# Altium PCB ISS_LAB_PCB.PcbDoc (part 1 of 8)
Units mm, origin at the board's own origin, x right, y up, seen from the top; angles counter-clockwise.
Board outline 247.67 x 135.97 mm, 2 copper layers (Top Layer, Bottom Layer); 165 components, 0 nets, 6045 pads, 3214 vias.
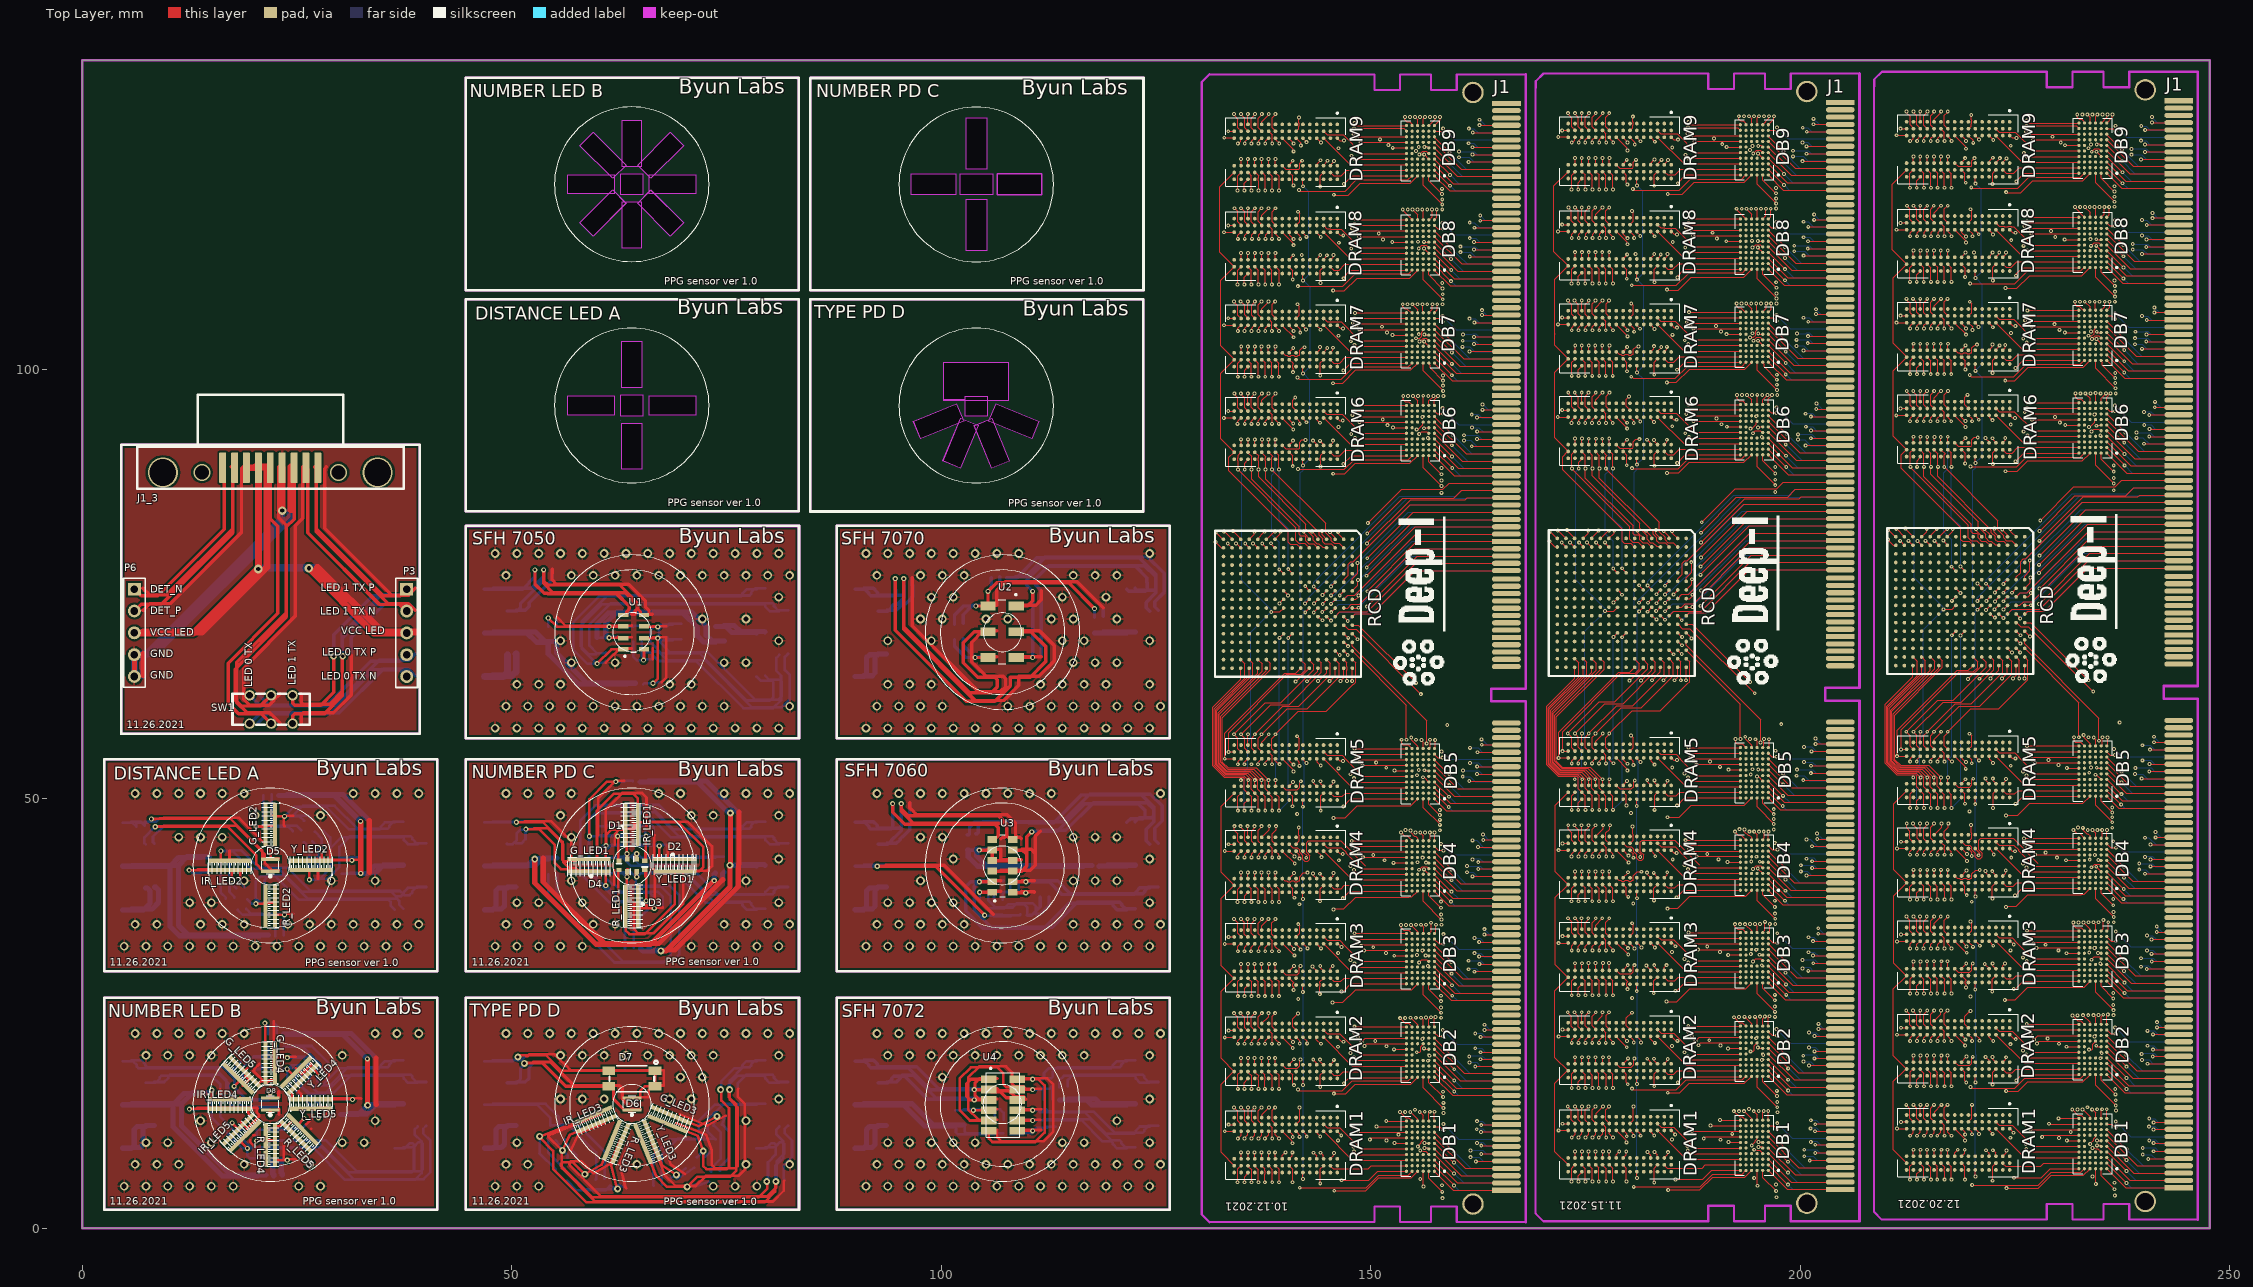
[diagram p0: Top Layer view]
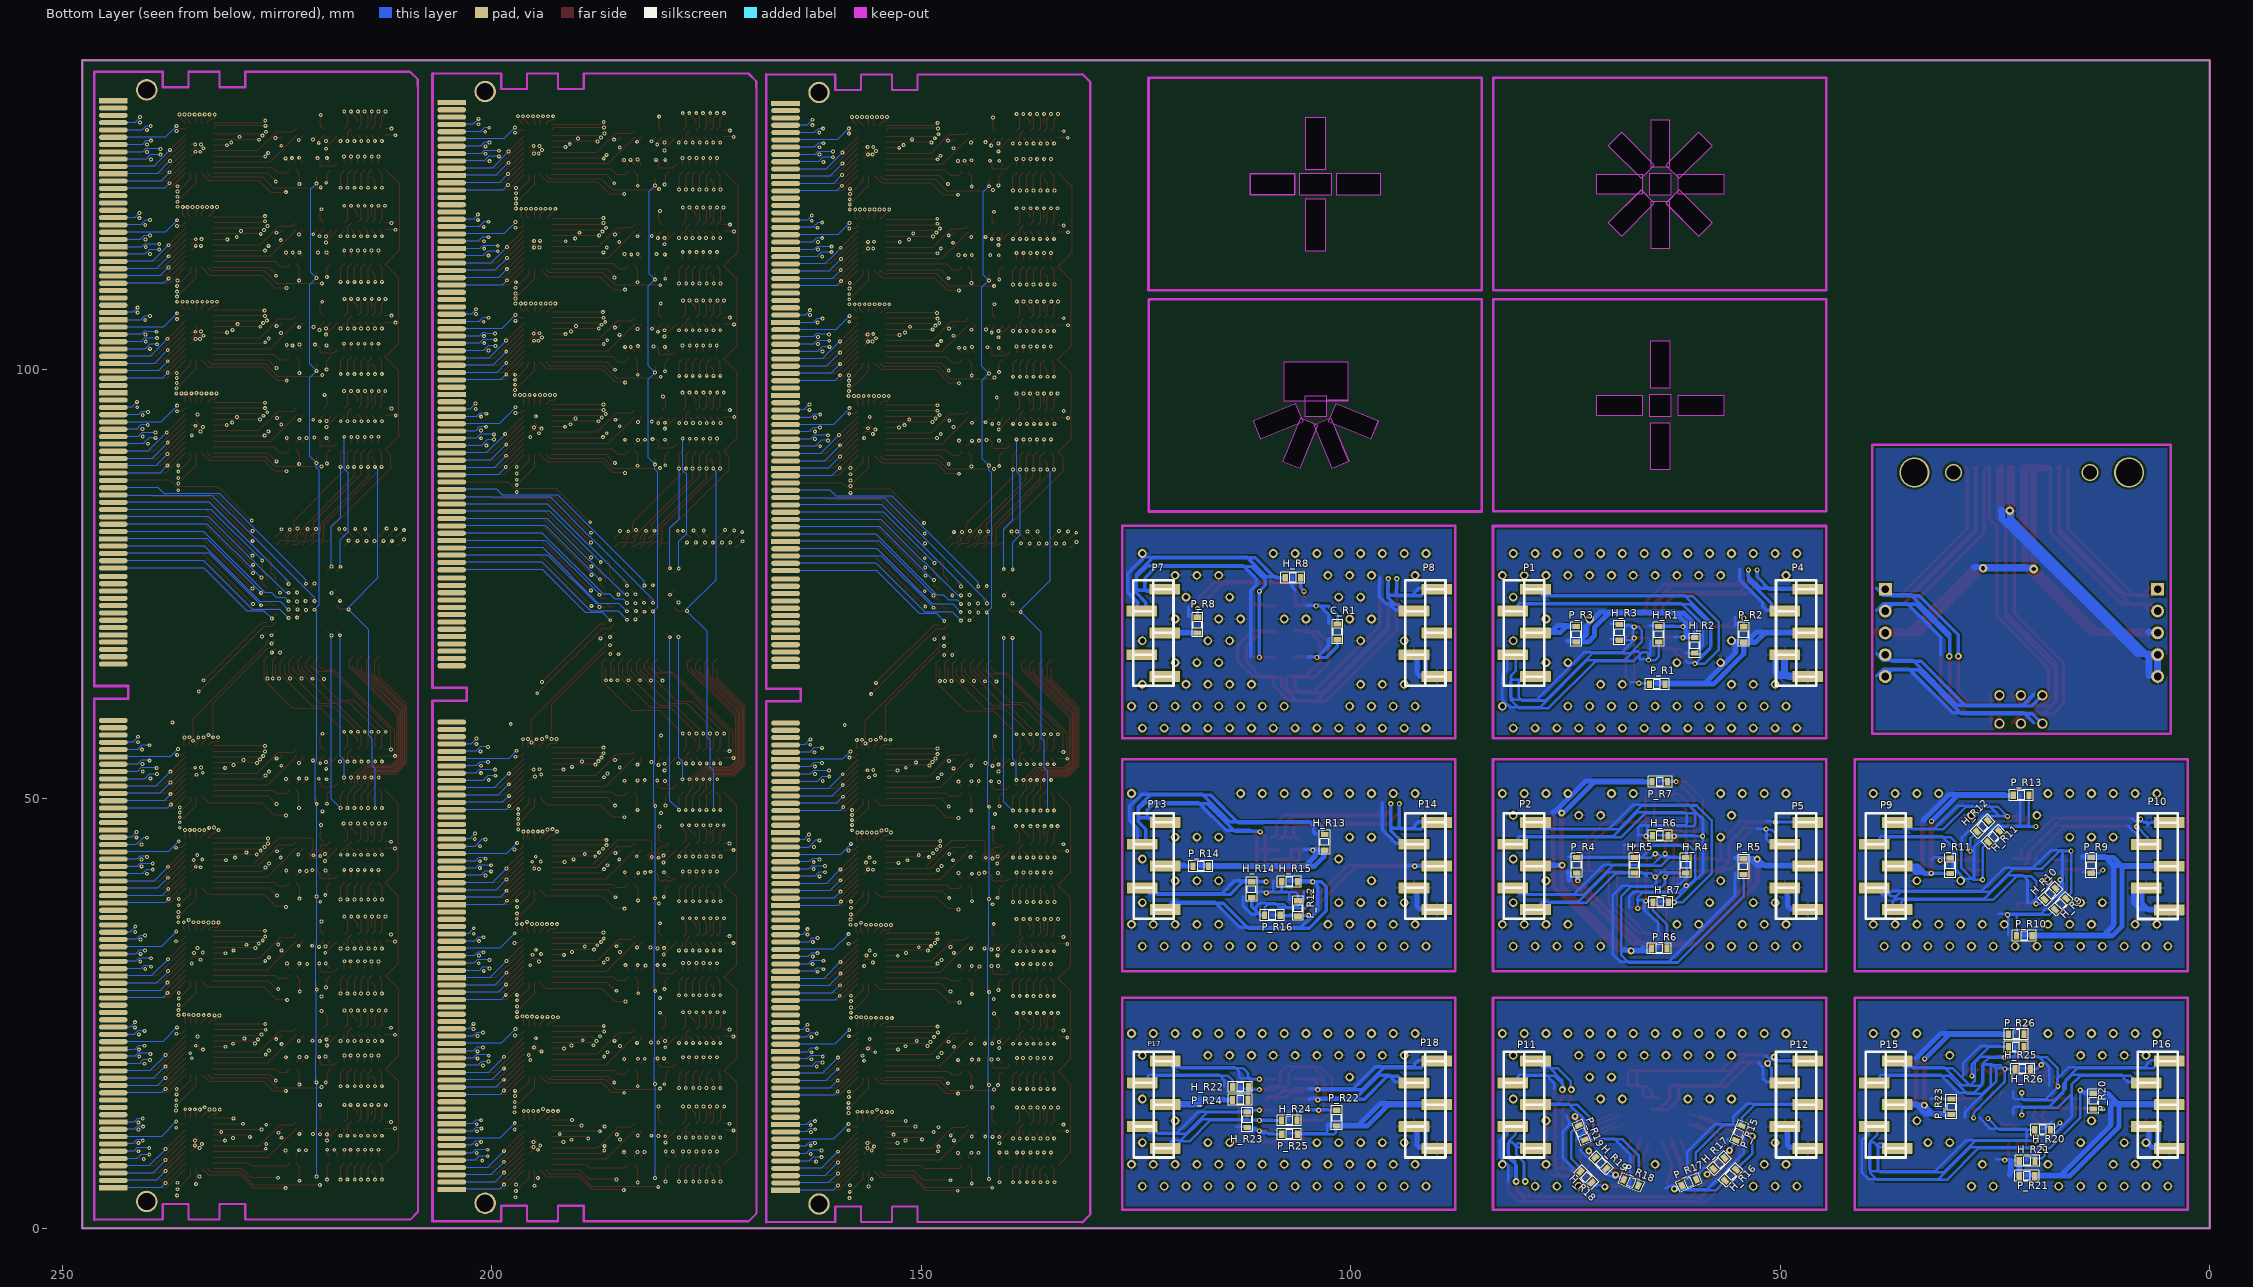
[diagram p1: Bottom Layer view, seen from below]

## Layer stack, top to bottom
Top Solder: solder mask 0.0102, Solder Resist, Dk 3.5
Top Layer: signal copper 0.0356
Dielectric 1: dielectric 0.32, FR-4, Dk 4.8
Bottom Layer: signal copper 0.0356
Bottom Solder: solder mask 0.0102, Solder Resist, Dk 3.5

## Board outline
0.006,-0.013 0.006,135.95 40.15,135.95 40.087,135.955 175.212,135.955 175.19,135.955 247.656,135.955 247.675,-0.011 118.853,-0.011 118.858,-0.013
cut-out: 65.075,114.08 62.875,114.08 62.875,119.48 65.075,119.48
cut-out: 59.488,115.483 57.933,117.038 61.751,120.857 63.307,119.301
cut-out: 56.53,120.425 56.53,122.625 61.93,122.625 61.93,120.425
cut-out: 70.017,117.038 68.462,115.483 64.643,119.301 66.199,120.857
cut-out: 102.242,88.451 100.21,89.293 102.276,94.282 104.309,93.44
cut-out: 97.618,91.885 96.776,93.917 101.765,95.984 102.607,93.951
cut-out: 111.374,93.917 110.532,91.885 105.543,93.951 106.385,95.984
cut-out: 107.94,89.293 105.908,88.451 103.841,93.44 105.874,94.282
cut-out: 65.28,122.725 65.28,120.325 62.68,120.325 62.68,122.725
cut-out: 71.42,122.625 71.42,120.425 66.02,120.425 66.02,122.625
cut-out: 68.462,127.567 70.017,126.012 66.199,122.193 64.643,123.749
cut-out: 62.875,128.97 65.075,128.97 65.075,123.57 62.875,123.57
cut-out: 57.933,126.012 59.488,127.567 63.307,123.749 61.751,122.193
cut-out: 101.675,95.6
cut-out: 101.55,95.8
cut-out: 102.9,123.275 102.9,129.275 105.3,129.275 105.3,123.275
cut-out: 107.8,100.825 107.8,96.325 105.35,96.325 105.35,94.525 102.8,94.525 102.8,96.425 100.3,96.425 100.3,100.825
cut-out: 105.3,119.775 105.3,113.775 102.9,113.775 102.9,119.775
cut-out: 106.5,120.325 111.7,120.325 111.7,122.725 106.5,122.725
cut-out: 101.7,120.325 96.5,120.325 96.5,122.725 101.7,122.725
cut-out: 106,120.325 102.2,120.325 102.2,122.725 106,122.725
cut-out: 65.125,88.325 62.825,88.325 62.825,93.725 65.125,93.725
cut-out: 56.525,94.625 56.525,96.925 61.925,96.925 61.925,94.625
cut-out: 62.825,103.225 65.125,103.225 65.125,97.825 62.825,97.825
cut-out: 71.425,96.925 71.425,94.625 66.025,94.625 66.025,96.925
cut-out: 62.67,94.025
cut-out: 65.275,97.025 65.275,94.525 62.675,94.525 62.675,97.025

## Design rules (kind name [scope] priority, off if disabled: settings)
Clearance [All] p1: gap=0.254 ignorepadtopadclearanceinfootprint=FALSE except(0: Arc-Hole Track-Hole SMDPad-Hole THPad-Hole Via-Hole Fill-Hole Poly-Hole Region-Hole Text-Hole)
PolygonConnect [All] p1: connectstyle=Relief reliefconductorwidth=0.254 reliefentries=4 polygonreliefangle="90 Angle" airgapwidth=0.254
RoutingVias [All] p1: holewidth=0.711 width=1.27 viastyle="Through Hole" minholewidth=0.711 minwidth=1.27 maxholewidth=0.711 maxwidth=1.27
SolderMaskExpansion [All] p1: expansion=0.102
Width [All] p1: maxlimit=0.254 minlimit=0.254 preferedwidth=0.254
30 further rules are at their usual default settings.

## Components (designator, comment, footprint, x,y, rotation, side; value= is the part's Value field where it differs from the comment)
C_R1 "Res1" RES-SMD-0603 101.545,69.425 r270 bottom value=0
D1 "Photo Sen" PD_2704 63.995,46.98 r90 top
D2 "Photo Sen" PD_2704 68.995,42.23 r0 top
D3 "Photo Sen" PD_2704 63.995,37.48 r270 top
D4 "Photo Sen" PD_2704 58.995,42.23 r180 top
D5 "SFH_2704" OSRAM_Opto_Semiconductors_SFH_2704_MFG 21.895,42.23 r180 top
D6 "SFH_2704" OSRAM_Opto_Semiconductors_SFH_2704_MFG 63.995,14.45 r180 top
D7 "APS5130PD7C-P22" LED_APS5130PD7C-P22_KNB 63.995,17.4 r180 top
D8 "SFH_2704" OSRAM_Opto_Semiconductors_SFH_2704_MFG 21.895,14.45 r180 top
DB1 "DB" BGA56C65P10X6_700X450X100N 234.063,9.842 r180 top locked (schematic designator U14)
DB1 "DB" BGA56C65P10X6_700X450X100N 194.663,9.642 r180 top locked (schematic designator U14)
DB1 "DB" BGA56C65P10X6_700X450X100N 155.79,9.542 r180 top locked (schematic designator U14)
DB2 "DB" BGA56C65P10X6_700X450X100N 234.063,20.794 r180 top locked (schematic designator T1)
DB2 "DB" BGA56C65P10X6_700X450X100N 194.663,20.594 r180 top locked (schematic designator T1)
DB2 "DB" BGA56C65P10X6_700X450X100N 155.79,20.494 r180 top locked (schematic designator T1)
DB3 "DB" BGA56C65P10X6_700X450X100N 234.063,31.671 r180 top locked (schematic designator U13)
DB3 "DB" BGA56C65P10X6_700X450X100N 194.663,31.471 r180 top locked (schematic designator U13)
DB3 "DB" BGA56C65P10X6_700X450X100N 155.79,31.371 r180 top locked (schematic designator U13)
DB4 "DB" BGA56C65P10X6_700X450X100N 234.063,42.466 r180 top locked (schematic designator U12)
DB4 "DB" BGA56C65P10X6_700X450X100N 194.663,42.266 r180 top locked (schematic designator U12)
DB4 "DB" BGA56C65P10X6_700X450X100N 155.79,42.166 r180 top locked (schematic designator U12)
DB5 "DB" BGA56C65P10X6_700X450X100N 234.063,53.209 r180 top locked (schematic designator U11)
DB5 "DB" BGA56C65P10X6_700X450X100N 194.663,53.009 r180 top locked (schematic designator U11)
DB5 "DB" BGA56C65P10X6_700X450X100N 155.79,52.909 r180 top locked (schematic designator U11)
DB6 "DB" BGA56C65P10X6_700X450X100N 234.063,93.154 r180 top locked (schematic designator U15)
DB6 "DB" BGA56C65P10X6_700X450X100N 194.663,92.954 r180 top locked (schematic designator U15)
DB6 "DB" BGA56C65P10X6_700X450X100N 155.79,92.854 r180 top locked (schematic designator U15)
DB7 "DB" BGA56C65P10X6_700X450X100N 234.063,103.934 r180 top locked (schematic designator U16)
DB7 "DB" BGA56C65P10X6_700X450X100N 194.663,103.734 r180 top locked (schematic designator U16)
DB7 "DB" BGA56C65P10X6_700X450X100N 155.79,103.634 r180 top locked (schematic designator U16)
DB8 "DB" BGA56C65P10X6_700X450X100N 234.063,114.759 r180 top locked (schematic designator U17)
DB8 "DB" BGA56C65P10X6_700X450X100N 194.663,114.559 r180 top locked (schematic designator U17)
DB8 "DB" BGA56C65P10X6_700X450X100N 155.79,114.459 r180 top locked (schematic designator U17)
DB9 "DB" BGA56C65P10X6_700X450X100N 234.063,125.726 r180 top locked (schematic designator U18)
DB9 "DB" BGA56C65P10X6_700X450X100N 194.663,125.526 r180 top locked (schematic designator U18)
DB9 "DB" BGA56C65P10X6_700X450X100N 155.79,125.426 r180 top locked (schematic designator U18)
DRAM1 "SDRAM" DRAM_96BGA 218.385,9.971 r270 top locked (schematic designator U5)
DRAM1 "SDRAM" DRAM_96BGA 178.985,9.771 r270 top locked (schematic designator U5)
DRAM1 "SDRAM" DRAM_96BGA 140.112,9.671 r270 top locked (schematic designator U5)
DRAM2 "SDRAM" DRAM_96BGA 218.385,20.923 r270 top locked (schematic designator U4)
DRAM2 "SDRAM" DRAM_96BGA 178.985,20.723 r270 top locked (schematic designator U4)
DRAM2 "SDRAM" DRAM_96BGA 140.112,20.623 r270 top locked (schematic designator U4)
DRAM3 "SDRAM" DRAM_96BGA 218.385,31.8 r270 top locked (schematic designator U3)
DRAM3 "SDRAM" DRAM_96BGA 178.985,31.6 r270 top locked (schematic designator U3)
DRAM3 "SDRAM" DRAM_96BGA 140.112,31.5 r270 top locked (schematic designator U3)
DRAM4 "SDRAM" DRAM_96BGA 218.385,42.595 r270 top locked (schematic designator U2)
DRAM4 "SDRAM" DRAM_96BGA 178.985,42.395 r270 top locked (schematic designator U2)
DRAM4 "SDRAM" DRAM_96BGA 140.112,42.295 r270 top locked (schematic designator U2)
DRAM5 "SDRAM" DRAM_96BGA 218.385,53.338 r270 top locked (schematic designator U1)
DRAM5 "SDRAM" DRAM_96BGA 178.985,53.138 r270 top locked (schematic designator U1)
DRAM5 "SDRAM" DRAM_96BGA 140.112,53.038 r270 top locked (schematic designator U1)
DRAM6 "SDRAM" DRAM_96BGA 218.385,93.019 r270 top locked (schematic designator U6)
DRAM6 "SDRAM" DRAM_96BGA 178.985,92.819 r270 top locked (schematic designator U6)
DRAM6 "SDRAM" DRAM_96BGA 140.112,92.719 r270 top locked (schematic designator U6)
DRAM7 "SDRAM" DRAM_96BGA 218.385,103.799 r270 top locked (schematic designator U7)
DRAM7 "SDRAM" DRAM_96BGA 178.985,103.599 r270 top locked (schematic designator U7)
DRAM7 "SDRAM" DRAM_96BGA 140.112,103.499 r270 top locked (schematic designator U7)
DRAM8 "SDRAM" DRAM_96BGA 218.385,114.624 r270 top locked (schematic designator U8)
DRAM8 "SDRAM" DRAM_96BGA 178.985,114.424 r270 top locked (schematic designator U8)
DRAM8 "SDRAM" DRAM_96BGA 140.112,114.324 r270 top locked (schematic designator U8)
DRAM9 "SDRAM" DRAM_96BGA 218.385,125.591 r270 top locked (schematic designator U9)
DRAM9 "SDRAM" DRAM_96BGA 178.985,125.391 r270 top locked (schematic designator U9)
DRAM9 "SDRAM" DRAM_96BGA 140.112,125.291 r270 top locked (schematic designator U9)
G_LED1 "LED" RESC0402X15N 62.495,42.23 r270 top value="LED 3 - 5 ly 2 Colour"
G_LED2 "LED" LED_PPG_DISTANCE_2 21.895,46.98 r0 top value="LED 3 - 5 ly 2 Colour"
G_LED3 "LED" LED_PPG_DISTANCE_2 68.383,12.632 r247.5 top value="LED 3 - 5 ly 2 Colour"
G_LED4 "LED" LED_PPG_DISTANCE_2 21.895,19.2 r0 top value="LED 3 - 5 ly 2 Colour"
G_LED5 "LED" LED_PPG_DISTANCE_2 18.541,17.816 r225 top value="LED 3 - 5 ly 2 Colour"
H_R1 "Res1" RES-SMD-0603 64.145,69.125 r90 bottom value=0
H_R2 "Res1" RES-SMD-0603 59.945,67.825 r90 bottom value=0
H_R3 "Res1" RES-SMD-0603 68.745,69.325 r90 bottom value=0
H_R4 "Res1" RES-SMD-0603 61,42.25 r270 bottom value=0
H_R5 "Res1" RES-SMD-0603 66.975,42.25 r270 bottom value=0
H_R6 "Res1" RES-SMD-0603 64,45.675 r180 bottom value=0
H_R7 "Res1" RES-SMD-0603 63.925,37.95 r180 bottom value=0
H_R8 "Res1" RES-SMD-0603 106.745,75.725 r180 bottom value=0
H_R9 "Res1" RES-SMD-0603 17.345,37.73 r315 bottom value=0
H_R10 "Res1" RES-SMD-0603 18.57,38.93 r315 bottom value=0
H_R11 "Res1" RES-SMD-0603 25.17,45.555 r135 bottom value=0
H_R12 "Res1" RES-SMD-0603 26.47,46.78 r135 bottom value=0
H_R13 "Res1" RES-SMD-0603 103.045,44.925 r270 bottom value=0
H_R14 "Res1" RES-SMD-0603 111.545,39.425 r270 bottom value=0
H_R15 "Res1" RES-SMD-0603 107.145,40.325 r180 bottom value=0
H_R16 "Res1" RES-SMD-0603 55.77,6.175 r315 bottom value=0
H_R17 "Res1" RES-SMD-0603 57.12,7.55 r315 bottom value=0
H_R18 "Res1" RES-SMD-0603 72.595,5.925 r45 bottom value=0
H_R19 "Res1" RES-SMD-0603 70.87,7.575 r45 bottom value=0
H_R20 "Res1" RES-SMD-0603 19.45,11.45 r0 bottom value=0
H_R21 "Res1" RES-SMD-0603 21.25,7.825 r0 bottom value=0
H_R22 "Res1" RES-SMD-0603 112.845,16.425 r180 bottom value=0
H_R23 "Res1" RES-SMD-0603 112.045,12.625 r270 bottom value=0
H_R24 "Res1" RES-SMD-0603 107.145,12.525 r0 bottom value=0
H_R25 "Res1" RES-SMD-0603 22.55,21.1 r180 bottom value=0
H_R26 "Res1" RES-SMD-0603 21.8,18.525 r180 bottom value=0
IR_LED1 "LED" RESC0402X15N 63.995,42.98 r180 top value="LED 3 - 5 ly 2 Colour"
IR_LED2 "LED" LED_PPG_DISTANCE_2 17.145,42.23 r90 top value="LED 3 - 5 ly 2 Colour"
IR_LED3 "LED" LED_PPG_DISTANCE_2 59.607,12.632 r112.5 top value="LED 3 - 5 ly 2 Colour"
IR_LED4 "LED" LED_PPG_DISTANCE_2 17.15,14.455 r90 top value="LED 3 - 5 ly 2 Colour"
IR_LED5 "LED" LED_PPG_DISTANCE_2 18.541,11.091 r315 top value="LED 3 - 5 ly 2 Colour"
J1 "Connector" "Edge Connector" 244.07,4.702 r90 top locked
J1 "Connector" "Edge Connector" 204.67,4.502 r90 top locked
J1 "Connector" "Edge Connector" 165.797,4.402 r90 top locked
J1_3 "DRB-09P11G1R" K202XHT-E9P-NJ_DB9_Male 21.89,88.518 r0 top (schematic designator J1)
P1 "Header 5" "HDR 5 POS 1 ROW" 79.83,69.29 r270 bottom
P2 "Header 5" "HDR 5 POS 1 ROW" 79.83,42.15 r270 bottom
P3 "Header 5" HDR1X5 37.77,74.37 r270 top
P4 "Header 5" "HDR 5 POS 1 ROW" 48.16,69.29 r270 bottom
P5 "Header 5" "HDR 5 POS 1 ROW" 48.16,42.15 r270 bottom
P6 "Header 5" HDR1X5 6.07,74.38 r270 top
P7 "Header 5" "HDR 5 POS 1 ROW" 122.98,69.29 r270 bottom
P8 "Header 5" "HDR 5 POS 1 ROW" 91.31,69.29 r270 bottom
P9 "Header 5" "HDR 5 POS 1 ROW" 37.73,42.15 r270 bottom
P10 "Header 5" "HDR 5 POS 1 ROW" 6.06,42.13 r270 bottom
P11 "Header 5" "HDR 5 POS 1 ROW" 79.83,14.37 r270 bottom
P12 "Header 5" "HDR 5 POS 1 ROW" 48.16,14.37 r270 bottom
P13 "Header 5" "HDR 5 POS 1 ROW" 122.945,42.15 r270 bottom
P14 "Header 5" "HDR 5 POS 1 ROW" 91.31,42.15 r270 bottom
P15 "Header 5" "HDR 5 POS 1 ROW" 37.73,14.37 r270 bottom
P16 "Header 5" "HDR 5 POS 1 ROW" 6.06,14.37 r270 bottom
P17 "Header 5" "HDR 5 POS 1 ROW" 122.945,14.37 r270 bottom
P18 "Header 5" "HDR 5 POS 1 ROW" 91.31,14.37 r270 bottom
P_R1 "Res1" RES-SMD-0603 64.345,63.325 r180 bottom value=0
P_R2 "Res1" RES-SMD-0603 54.245,69.125 r270 bottom value=0
P_R3 "Res1" RES-SMD-0603 73.745,69.125 r90 bottom value=0
P_R4 "Res1" RES-SMD-0603 73.7,42.25 r270 bottom value=0
P_R5 "Res1" RES-SMD-0603 54.275,42.075 r90 bottom value=0
P_R6 "Res1" RES-SMD-0603 64.075,32.55 r0 bottom value=0
P_R7 "Res1" RES-SMD-0603 64,51.95 r0 bottom value=0
P_R8 "Res1" RES-SMD-0603 117.845,70.225 r270 bottom value=0
P_R9 "Res1" RES-SMD-0603 13.795,42.205 r90 bottom value=0
P_R10 "Res1" RES-SMD-0603 21.595,34.03 r180 bottom value=0
P_R11 "Res1" RES-SMD-0603 30.22,42.205 r270 bottom value=0
P_R12 "Res1" RES-SMD-0603 106.145,37.225 r270 bottom value=0
P_R13 "Res1" RES-SMD-0603 21.945,50.38 r0 bottom value=0
P_R14 "Res1" RES-SMD-0603 117.445,42.125 r0 bottom value=0
P_R15 "Res1" RES-SMD-0603 54.845,11.075 r112.5 bottom value=0
P_R16 "Res1" RES-SMD-0603 109.145,36.425 r180 bottom value=0
P_R17 "Res1" RES-SMD-0603 60.62,5.3 r157.5 bottom value=0
P_R18 "Res1" RES-SMD-0603 67.395,5.3 r202.5 bottom value=0
P_R19 "Res1" RES-SMD-0603 73.12,11.125 r247.5 bottom value=0
P_R20 "Res1" RES-SMD-0603 13.55,14.775 r270 bottom value=0
P_R21 "Res1" RES-SMD-0603 21.3,6.075 r180 bottom value=0
P_R22 "Res1" RES-SMD-0603 101.645,12.825 r270 bottom value=0
P_R23 "Res1" RES-SMD-0603 30.075,14.1 r90 bottom value=0
P_R24 "Res1" RES-SMD-0603 112.845,14.925 r0 bottom value=0
P_R25 "Res1" RES-SMD-0603 107.145,10.925 r180 bottom value=0
P_R26 "Res1" RES-SMD-0603 22.525,22.575 r0 bottom value=0
R_LED1 "LED" RESC0402X15N 63.995,41.48 r0 top value="LED 3 - 5 ly 2 Colour"
R_LED2 "LED" LED_PPG_DISTANCE_2 21.895,37.48 r180 top value="LED 3 - 5 ly 2 Colour"
R_LED3 "LED" LED_PPG_DISTANCE_2 62.177,10.062 r157.5 top value="LED 3 - 5 ly 2 Colour"
R_LED4 "LED" LED_PPG_DISTANCE_2 21.9,9.7 r180 top value="LED 3 - 5 ly 2 Colour"
R_LED5 "LED" LED_PPG_DISTANCE_2 25.259,11.091 r45 top value="LED 3 - 5 ly 2 Colour"
RCD "RCD256" BGA256x16_RCD 226.131,80.49 r270 top locked (schematic designator U10)
RCD "RCD256" BGA256x16_RCD 186.731,80.29 r270 top locked (schematic designator U10)
RCD "RCD256" BGA256x16_RCD 147.858,80.19 r270 top locked (schematic designator U10)
SW1 "SSSS222700" DPDT_SSSS222700 21.995,60.38 r0 top
U1 "SFH_7050" XDCR_SFH_7050 64.195,69.375 r90 top
U2 "SFH_7070" XDCR_SFH_7070 107.095,69.425 r270 top
U3 "SFH_7060" XDCR_SFH_7060 107.145,42.165 r90 top
U4 "SFH_7072" XDCR_SFH_7072 107.195,14.325 r270 top
Y_LED1 "LED" RESC0402X15N 65.495,42.23 r90 top value="LED 3 - 5 ly 2 Colour"
Y_LED2 "LED" LED_PPG_DISTANCE_2 26.645,42.23 r270 top value="LED 3 - 5 ly 2 Colour"
Y_LED3 "LED" LED_PPG_DISTANCE_2 65.813,10.062 r202.5 top value="LED 3 - 5 ly 2 Colour"
Y_LED4 "LED" LED_PPG_DISTANCE_2 25.3,17.77 r135 top value="LED 3 - 5 ly 2 Colour"
Y_LED5 "LED" LED_PPG_DISTANCE_2 26.645,14.455 r270 top value="LED 3 - 5 ly 2 Colour"

## Footprints (in the part's own frame and the unit in brackets; to place one, negate y for a bottom-side part, rotate by r counter-clockwise, add the part's x,y. Pads: shape width x height; smd on the part's side, far side on the other; paste and mask are expansions set on the pad)
BGA56C65P10X6_700X450X100N [mm]
  round 0.37 smd mask+0.05: A1(-1.625,2.925) A2(-0.975,2.925) A3(-0.325,2.925) A4(0.325,2.925) A5(0.975,2.925) A6(1.625,2.925) B1(-1.625,2.275) B2(-0.975,2.275) B3(-0.325,2.275) B4(0.325,2.275) B5(0.975,2.275) B6(1.625,2.275) C1(-1.625,1.625) C2(-0.975,1.625) C3(-0.325,1.625) C4(0.325,1.625) C5(0.975,1.625) C6(1.625,1.625) D1(-1.625,0.975) D2(-0.975,0.975) D3(-0.325,0.975) D4(0.325,0.975) D5(0.975,0.975) D6(1.625,0.975) E1(-1.625,0.325) E2(-0.975,0.325) E5(0.975,0.325) E6(1.625,0.325) F1(-1.625,-0.325) F2(-0.975,-0.325) F5(0.975,-0.325) F6(1.625,-0.325) G1(-1.625,-0.975) G2(-0.975,-0.975) G3(-0.325,-0.975) G4(0.325,-0.975) G5(0.975,-0.975) G6(1.625,-0.975) H1(-1.625,-1.625) H2(-0.975,-1.625) H3(-0.325,-1.625) H4(0.325,-1.625) H5(0.975,-1.625) H6(1.625,-1.625) J1(-1.625,-2.275) J2(-0.975,-2.275) J3(-0.325,-2.275) J4(0.325,-2.275) J5(0.975,-2.275) J6(1.625,-2.275) K1(-1.625,-2.925) K2(-0.975,-2.925) K3(-0.325,-2.925) K4(0.325,-2.925) K5(0.975,-2.925) K6(1.625,-2.925)
  silkscreen extent -2.9,-3.5 2.25,3.5, body extent -2.29,-3.44 2.21,3.56, height 1
BGA256x16_RCD [mm]
  round 0.425 smd: A1(0,0) A2(1,0) A3(2,0) A4(3,0) A5(4,0) A6(5,0) A7(6,0) A8(7,0) A9(8,0) A10(9,0) A11(10,0) A12(11,0) A13(12,0) A14(13,0) A15(14,0) A16(15,0) B1(0,-1) B2(1,-1) B3(2,-1) B4(3,-1) B5(4,-1) B6(5,-1) B7(6,-1) B8(7,-1) B9(8,-1) B10(9,-1) B11(10,-1) B12(11,-1) B13(12,-1) B14(13,-1) B15(14,-1) B16(15,-1) C1(0,-2) C2(1,-2) C3(2,-2) C4(3,-2) C5(4,-2) C6(5,-2) C7(6,-2) C8(7,-2) C9(8,-2) C10(9,-2) C11(10,-2) C12(11,-2) C13(12,-2) C14(13,-2) C15(14,-2) C16(15,-2) D1(0,-3) D2(1,-3) D3(2,-3) D4(3,-3) D5(4,-3) D6(5,-3) D7(6,-3) D8(7,-3) D9(8,-3) D10(9,-3) D11(10,-3) D12(11,-3) D13(12,-3) D14(13,-3) D15(14,-3) D16(15,-3) E1(0,-4) E2(1,-4) E3(2,-4) E4(3,-4) E5(4,-4) E6(5,-4) E7(6,-4) E8(7,-4) E9(8,-4) E10(9,-4) E11(10,-4) E12(11,-4) E13(12,-4) E14(13,-4) E15(14,-4) E16(15,-4) F1(0,-5) F2(1,-5) F3(2,-5) F4(3,-5) F5(4,-5) F6(5,-5) F7(6,-5) F8(7,-5) F9(8,-5) F10(9,-5) F11(10,-5) F12(11,-5) F13(12,-5) F14(13,-5) F15(14,-5) F16(15,-5) G1(0,-6) G2(1,-6) G3(2,-6) G4(3,-6) G5(4,-6) G6(5,-6) G7(6,-6) G8(7,-6) G9(8,-6) G10(9,-6) G11(10,-6) G12(11,-6) G13(12,-6) G14(13,-6) G15(14,-6) G16(15,-6) H1(0,-7) H2(1,-7) H3(2,-7) H4(3,-7) H5(4,-7) H6(5,-7) H7(6,-7) H8(7,-7) H9(8,-7) H10(9,-7) H11(10,-7) H12(11,-7) H13(12,-7) H14(13,-7) H15(14,-7) H16(15,-7) J1(0,-8) J2(1,-8) J3(2,-8) J4(3,-8) J5(4,-8) J6(5,-8) J7(6,-8) J8(7,-8) J9(8,-8) J10(9,-8) J11(10,-8) J12(11,-8) J13(12,-8) J14(13,-8) J15(14,-8) J16(15,-8) K1(0,-9) K2(1,-9) K3(2,-9) K4(3,-9) K5(4,-9) K6(5,-9) K7(6,-9) K8(7,-9) K9(8,-9) K10(9,-9) K11(10,-9) K12(11,-9) K13(12,-9) K14(13,-9) K15(14,-9) K16(15,-9) L1(0,-10) L2(1,-10) L3(2,-10) L4(3,-10) L5(4,-10) L6(5,-10) L7(6,-10) L8(7,-10) L9(8,-10) L10(9,-10) L11(10,-10) L12(11,-10) L13(12,-10) L14(13,-10) L15(14,-10) L16(15,-10) M1(0,-11) M2(1,-11) M3(2,-11) M4(3,-11) M5(4,-11) M6(5,-11) M7(6,-11) M8(7,-11) M9(8,-11) M10(9,-11) M11(10,-11) M12(11,-11) M13(12,-11) M14(13,-11) M15(14,-11) M16(15,-11) N1(0,-12) N2(1,-12) N3(2,-12) N4(3,-12) N5(4,-12) N6(5,-12) N7(6,-12) N8(7,-12) N9(8,-12) N10(9,-12) N11(10,-12) N12(11,-12) N13(12,-12) N14(13,-12) N15(14,-12) N16(15,-12) P1(0,-13) P2(1,-13) P3(2,-13) P4(3,-13) P5(4,-13) P6(5,-13) P7(6,-13) P8(7,-13) P9(8,-13) P10(9,-13) P11(10,-13) P12(11,-13) P13(12,-13) P14(13,-13) P15(14,-13) P16(15,-13) R1(0,-14) R2(1,-14) R3(2,-14) R4(3,-14) R5(4,-14) R6(5,-14) R7(6,-14) R8(7,-14) R9(8,-14) R10(9,-14) R11(10,-14) R12(11,-14) R13(12,-14) R14(13,-14) R15(14,-14) R16(15,-14) T1(0,-15) T2(1,-15) T3(2,-15) T4(3,-15) T5(4,-15) T6(5,-15) T7(6,-15) T8(7,-15) T9(8,-15) T10(9,-15) T11(10,-15) T12(11,-15) T13(12,-15) T14(13,-15) T15(14,-15) T16(15,-15)